# Altium PCB xialeste.PcbDoc (part 3 of 10) (continued)
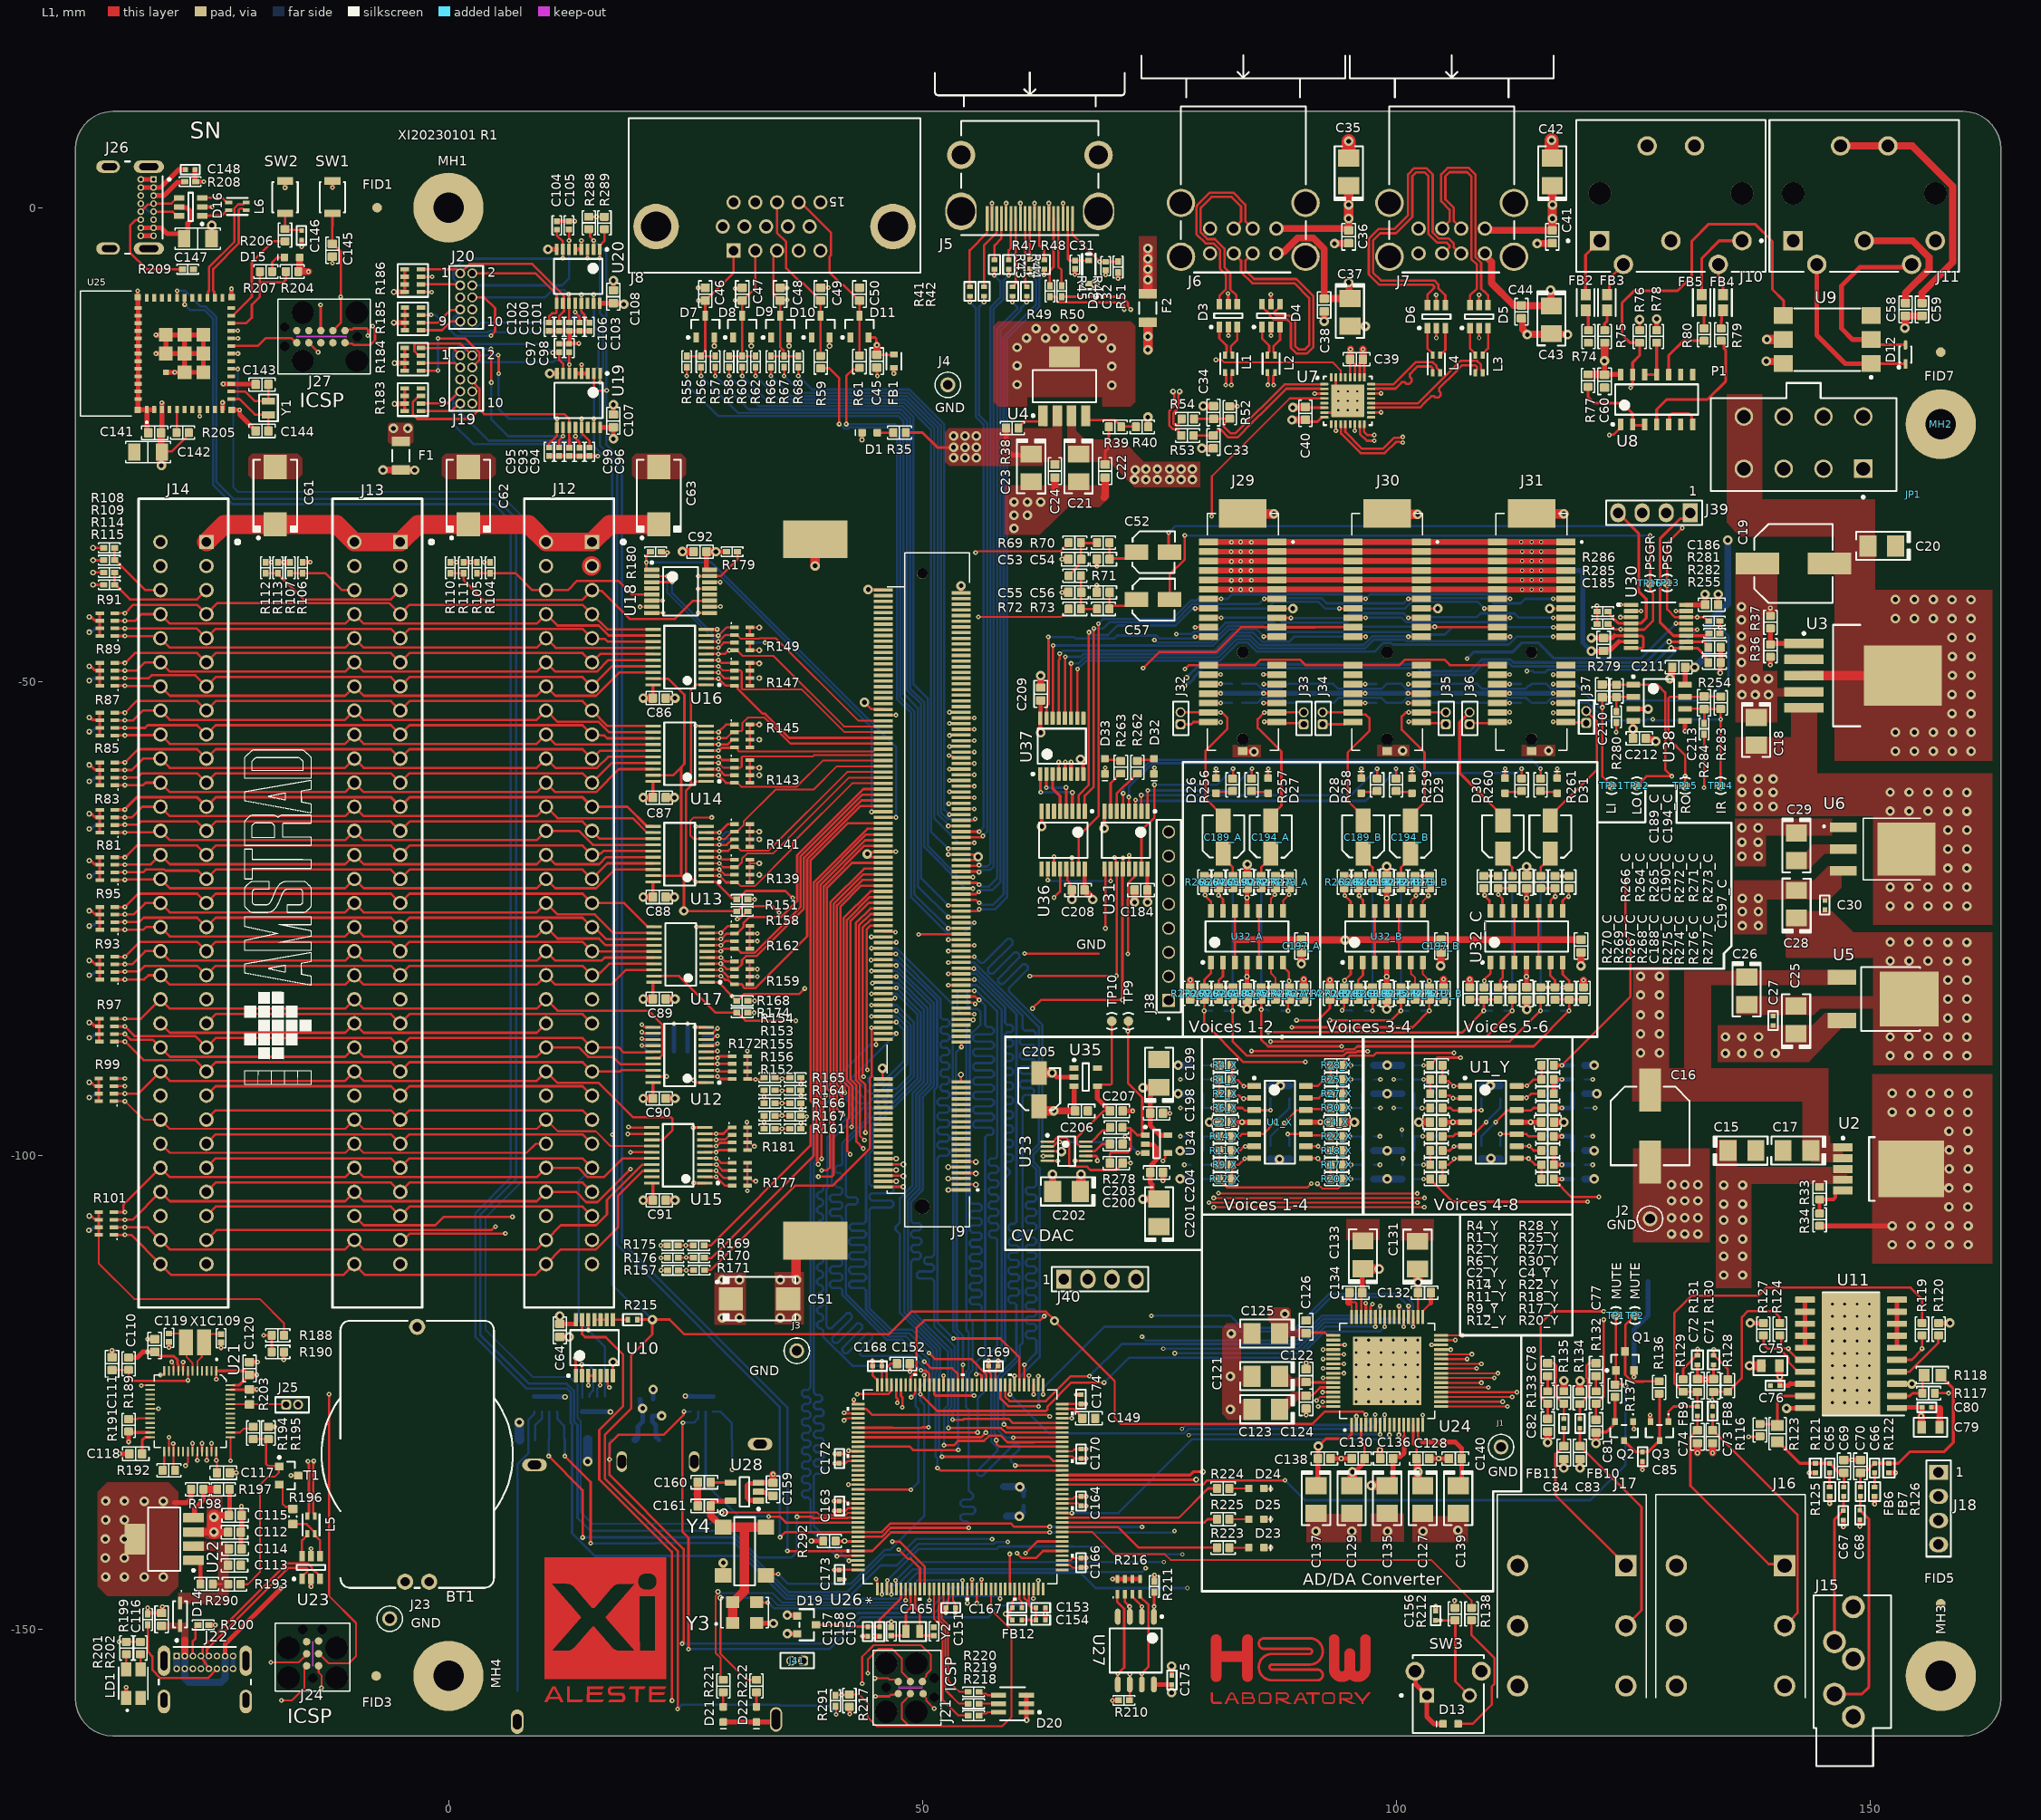
[diagram p0: L1 view]
## Part data (continued)
D1 D13 D15 D26 D27 D28 D29 D30 D31 D32 D33: library part LED-150060SS75000, "SMD mono-color Chip LED, WL-SMCW, Super Red", Color="Super Red", Manufacturer="Wuerth Elektronik", componentlink1description="Manufacturer URL", componentlink1url=http://www.we-online.com, ComponentLink2Description=Datasheet, ComponentLink2URL=http://katalog.we-online.com/led/datasheet/150060SS75000.pdf, PackageReference=0603_A, PartNumber=150060SS75000
D2: "DIODE SCHOTTKY 30V 0.2A SOD323", Capacitance @ Vr, F="10pF @ 1V, 1MHz", Current - Average Rectified (Io)=200mA, Current - Reverse Leakage @ Vr="2µA @ 25V", Manufacturer="Fairchild Semiconductor", Operating Temperature - Junction="-55°C ~ 150°C", Package / Case="SC-76, SOD-323", Supplier Device Package=SOD-323, Supplier Part Number 1=BAT54HT1GCT-ND, Thermal Resistance="600°C/W Ja", Voltage - DC Reverse (Vr) (Max)=30V, Voltage - Forward (Vf) (Max) @ If="800mV @ 100mA", .Checked PCB="RF, used by MM", .Checked SCH=MM, .Creator=MM, Category="Discrete Semiconductor Products", componentlink1description=http://www.fairchildsemi.com/ds/BA/BAT54HT1G.pdf, componentlink1url=http://www.fairchildsemi.com/ds/BA/BAT54HT1G.pdf, Diode Type=Schottky, Manufacturer Part Number=BAT54HT1G, Mounting Type="Surface Mount", Packaging="Cut Tape (CT)", Pricing 1="1=0.3, 10=0.276, 25=0.1984, 100=0.1543, 250=0.09696, 500=0.0826, 1000=0.05628 (USD)", Reverse Recovery Time (trr)=5ns, RoHS="RoHS Compliant", Speed="Small Signal =< 200mA (Io), Any Speed", Stock 1=11388, Supplier 1=Digi-Key
D7 D8 D9 D10 D11: library part CMP-1176-00014-1, "Silicon Switching Diode, SOT23, Reel, Green", Manufacturer=Infineon, componentlink1description="Manufacturer URL", componentlink1url=http://www.infineon.com/, ComponentLink2Description=Datasheet, ComponentLink2URL=http://www.infineon.com/dgdl/bav99series.pdf?folderId=db3a30431400ef6801141b5844e103ea&fileId=db3a30431400ef6801141c1b237d042f, ComponentLink3Description="Package Specification", ComponentLink3URL=http://www.infineon.com/dgdl/smbta14_mmbta14.pdf?folderId=db3a30431441fb5d011445c30f210183&fileId=db3a30431441fb5d011445ef0201018c, Green=TRUE, Manufacturer Part Number=BAV99, Mounting Technology="Surface Mount", PackageDescription="3-Pin Small Outline Transistor Package, 1.3 x 2.9 mm Body, 0.95 mm Pitch", PackageReference=SOT23, PackageVersion=Apr-08, Packing=Reel, PartNumber=BAV99, RevisionNote="Re-Activated Devices"
D12: library part CMP-07163-000040-1, "DIODE GEN PURP 75V 150MA SOD323F", Average Rectified Current=150mA, Forward Voltage=1V, Max Forward Surge Current (Ifsm)=2A, Max Operating Temperature=150°C, Max Repetitive Reverse Voltage (Vrrm)=75V, Min Operating Temperature=-55°C, Package Quantity=1, Peak Reverse Current=5uA, Power Dissipation=200mW, Contact Plating=Tin, Element Configuration=Single, Forward Current=150mA, Height=1mm, Lead Free="Lead Free", Length=1.8mm, Max Reverse Voltage (DC)=75V, Mount="Surface Mount", Number of Pins=2, Packaging="Tape and Reel", Radiation Hardening=No, REACH SVHC="No SVHC", Recovery Time=4ns, Reverse Recovery Time=4ns, Reverse Voltage=75V, Weight=0.0276g, Width=1.35mm
D14: Manuf_1=STM, Distrib=ST, ECCN_US/EU=EAR99/NEC, Manuf_Part_1=BAT60JFILM, Order=BAT60JFILM, Provided=ST, Revision="July-2002: Re-released for DXP Platform."
D19: "DIODE SCHOTTKY DUAL 30V SOT23-3", Current - Average Rectified (Io) (per Diode)="200mA (DC", Current - Reverse Leakage @ Vr="2µA @ 25V", Manufacturer="Diodes Inc", Package / Case="TO-236-3, SC-59, SOT-23-3", Supplier Device Package=SOT-23-3, Supplier Part Number=BAT54C-FDICT-ND, Voltage - DC Reverse (Vr) (Max)=30V, Voltage - Forward (Vf) (Max) @ If="800mV @ 100mA", .Checked PCB=used, .Checked SCH=used, Category="Discrete Semiconductor Products", componentlink1description=http://www.diodes.com/datasheets/ds11005.pdf, componentlink1url=http://www.diodes.com/datasheets/ds11005.pdf, Diode Configuration="1 Pair Common Cathode", Diode Type=Schottky, Family="Diodes, Rectifiers - Arrays", Manufacturer Part Number=BAT54C-7-F, Mounting Type="Surface Mount", oltage - DC Reverse (Vr) (Max)=30V, Packaging="Cut Tape (CT)", Price 1k [$]=0.04500, Pricing 1="1=0.38, 10=0.255, 100=0.12, 250=0.08552, 500=0.06526, 1000=0.045 (USD)", Reverse Recovery Time (trr)=5ns, RoHS="RoHS Compliant", Speed="Small Signal =< 200mA (Io), Any Speed", Stock 1=67687, Supplier=Digikey, Supplier 1=Digi-Key, Supplier Part Number 1=BAT54C-FDICT-ND
D20: library part CMP-18399-000005-1, "LED RGB DIFFUSED 6PLCC SMD", Colour="Red, Green, LED_B", Forward Current=20mA, Forward Voltage=2.1/3.1/3.1V, Manufacturer="Broadcom Avago", Max Junction Temp=+110°C, Package=PLCC-6, Power Dissipation=125/90/90mW, Reverse Voltage=4V, Temperature="-40°C to +100°C", Temperature Range High=+100°C, Temperature Range Low=-40°C, Automotive=No, Category=Diode, ComponentLink2Description=Datasheet, ComponentLink2URL=https://docs.broadcom.com/doc/AV02-3873EN, Device Class L1=Optoelectronics, Device Class L2=LEDs, Device Class L3=unset, Digikey Description="LED RGB DIFFUSED 6PLCC SMD", Height=2mm, Lead Free=Yes, Led Orientation="Top View", Luminous Intensity=650/1900/384mcd, Manufacturer Part Number=ASMT-YTD7-0AA02, Mouser Description="Standard LEDs - SMD PLCC6,T/MT SILICONE RGB", Octopart=https://octopart.com/asmt-ytd7-0aa02-broadcom-71127359, Peak Emmision Wavelength=630/522/465nm, RoHS=TRUE, Viewing Angle=120°, Wavelength=623/529/469nm
D21 D22 D23 D24 D25: library part LED-150060SS75000, "SMD mono-color Chip LED, WL-SMCW, Super Red", Color="Super LED_R", Manufacturer="Wuerth Elektronik", componentlink1description="Manufacturer URL", componentlink1url=http://www.we-online.com, ComponentLink2Description=Datasheet, ComponentLink2URL=http://katalog.we-online.com/led/datasheet/150060SS75000.pdf, PackageReference=0603_A, PartNumber=150060SS75000
F1: library part CMP-16043-000007-1, "PTC RESET FUSE 30V 200MA 1206", Case Code (Imperial)=1206, Case Code (Metric)=3216, Hold Current=200mA, Manufacturer=Bel, Max Current Rating=10A, Max Operating Temperature=85°C, Max Voltage Rating (DC)=30V, Min Operating Temperature=-40°C, Package Quantity=3000, Power Dissipation=400mW, Trip Current=400mA, Approvals=UL, Case/Package=1206, Contact Plating=Tin, Lead Free="Lead Free", Manufacturer Part Number=0ZCJ0020FF2E, Mount="Surface Mount", Number of Terminals=2, Packaging="Cut Tape", Time to Trip=0.1s
F2: library part CMP-16043-000004-1, "PTC RESET FUSE 8V 500MA 1206", Case Code (Imperial)=1206, Case Code (Metric)=3216, Hold Current=500mA, Manufacturer=Bel, Max Current Rating=100A, Max Operating Temperature=85°C, Min Operating Temperature=-40°C, Package Quantity=1, Trip Current=1A, Case/Package=1206, Contact Plating=Tin, Lead Free="Lead Free", Manufacturer Part Number=0ZCJ0050FF2G, Mount="Surface Mount", Packaging="Tape and Reel", Time to Trip=0.1s
FB1: library part CMP-08257-000179-1, "Power line Ferrite Bead 600Ω @ 100MHz 1A DCR 0.15Ω SMD 0603", Case Code (Imperial)=0603, Case Code (Metric)=1608, Current Rating=1A, DC Resistance (DCR)=150mR, Manufacturer="TDK EPCOS", Max Operating Temperature=125°C, Min Operating Temperature=-55°C, Package Quantity=4000, Test Frequency=100MHz, Tolerance=25%, Case/Package=0603, Core Material=Ferrite, Depth=0.8mm, Height=0.8mm, Impedance=600R, Lead Free="Lead Free", Length=0.063inch, Manufacturer Part Number=MPZ1608S601ATA00, Max DC Current=1A, Mount="Surface Mount", Packaging="Tape and Reel", REACH SVHC="No SVHC", RoHS Compliant=Yes, series=MPZ, Termination=SMD/SMT, Weight=7.1E-05oz, Width=0.8mm
FB2 FB3 FB4 FB5: library part CMP-08257-000115-1, "Signal Line Ferrite Bead 1000Ω  @ 100MHz 400mA DCR 500mΩ SMD 0603", Case Code (Imperial)=0603, Case Code (Metric)=1608, Current Rating=400mA, DC Resistance (DCR)=500mR, Package Quantity=1, Tolerance=25%, Case/Package=0603, Core Material=Ferrite, Height=0.037inch, Impedance=1kR, Length=0.063inch, Max DC Current=400mA, Mount="Surface Mount", Packaging="Tape and Reel", REACH SVHC="No SVHC", RoHS Compliant=Yes, series=MMZ, Width=0.031inch
FB6 FB7 FB8 FB9 FB10 FB11 FB12: library part IND-BLM15AX601SN1D, "FERRITE CHIP 600 OHM 0402 420mA", Current Rating=420mA, DC Resistance (DCR)="340 mOhm Max", Impedance @ Frequency="600 Ohm @ 100MHz", Manufacturer="Murata Electronics North America", Package / Case="0402 (1005 Metric)", Supplier Part Number=490-5441-1-ND, .Checked PCB=used, .Checked SCH=used, Category=Filters, componentlink1description=http://search.murata.co.jp/Ceramy/image/img/PDF/ENG/L0110S0100BLM15AX_SN.pdf, componentlink1url=http://search.murata.co.jp/Ceramy/image/img/PDF/ENG/L0110S0100BLM15AX_SN.pdf, Filter Type="Differential Mode - Single", Height (Max)="0.022\" (0.55mm)", Manufacturer Part Number=BLM15AX601SN1D, Mounting Type="Surface Mount", Number of Lines=1, Packaging="Cut Tape (CT)", Price 1k [$]=0.03280, Pricing 1="1=0.26, 10=0.197, 50=0.1148, 100=0.0918, 250=0.0656, 500=0.0446, 1000=0.03608, 5000=0.02821 (USD)", RoHS="RoHS Compliant", Size / Dimension="0.039\" L x 0.020\" W (1.00mm x 0.50mm)", Stock 1=34008, Supplier=Digikey, Supplier 1=Digi-Key, Supplier Part Number 1=490-5441-1-ND
FB13: library part CMP-08257-000179-1, "Power line Ferrite Bead 600Ω @ 100MHz 1A DCR 0.15Ω SMD 0603", Case/Package=0603, Case Code (Metric)=1608, Current Rating=1A, DC Resistance (DCR)=150mR, Manufacturer="TDK EPCOS", Max Operating Temperature=125°C, Min Operating Temperature=-55°C, Package Quantity=4000, Test Frequency=100MHz, Tolerance=25%, Case Code (Imperial)=0603, Core Material=Ferrite, Depth=0.8mm, Height=0.8mm, Impedance=600R, Lead Free="Lead Free", Length=0.063inch, Manufacturer Part Number=MPZ1608S601ATA00, Max DC Current=1A, Mount="Surface Mount", Packaging="Tape and Reel", REACH SVHC="No SVHC", RoHS Compliant=Yes, series=MPZ, Termination=SMD/SMT, Weight=7.1E-05oz, Width=0.8mm
FID1 FID2 FID3 FID4 FID5 FID6 FID7 FID8: "Fiducial 40mil Diameter, 120mil Mask", Supplier=Digikey
J1 J2 J3 J4 J23: library part CMP-2000-05181-2, "PC TEST POINT MINIATURE BLACK", Color=Black, Flammability Rating="UL94 V-0", Manufacturer="Keystone Electronics", Package Quantity=100, Body Material=Bronze, Contact Material=Bronze, Contact Plating=Silver, Diameter=2.54mm, Height=0.3inch, Hole Diameter=1.6mm, Housing Color=Black, Inside Diameter=1.27mm, Insulation=Insulated, Insulation Material=Nylon, Lead Free="Lead Free", Length=7.62mm, Manufacturer Part Number=5001, Material=Nylon, Mount="Through Hole", Number Of Contacts=1, Number Of Ports=1, Orientation=Straight, Outside Diameter=2.54mm, Packaging=Bulk, Plating=Silver, REACH SVHC="No SVHC", RoHS Compliant=Yes, series=THM, Termination="Through Hole"
J5: library part CON-HDMI-47151-0001, "CONN RCPT 19POS HDMI RT ANG SMD", Manufacturer="Molex Connector Corporation", Operating Temperature="-20°C to +85°C", Supplier Part Number=WM19086CT-ND, .Checked PCB=used, .Checked SCH=used, Category="Connectors, Interconnects", componentlink1description=http://www.molex.com/pdm_docs/sd/471510001_sd.pdf, componentlink1url=http://www.molex.com/pdm_docs/sd/471510001_sd.pdf, Connector Type=HDMI, Family="USB, IEEE-1394 (Firewire), DVI, HDMI", Features="Detent Lock", Gender=Receptacle, Ingress Protection=-, Manufacturer Part Number=47151-0001, Mounting Type="Surface Mount, Right Angle, Horizontal", Number Of Contacts=19, Number of Positions=19, Packaging="Cut Tape (CT)", Pitch="0.50mm (.020\")", Price 1k [$]=1.74610, Pricing 1="1=3.1, 10=2.57, 50=2.1456, 100=1.9034 (USD)", RoHS="RoHS Compliant", Specifications=-, Stock 1=2756, Supplier=Digikey, Supplier 1=Digi-Key, Supplier Part Number 1=WM19086CT-ND
J6 J7: library part CON-USB-5787617-1a, "CONN RCPT R/A 4OVER4POS GOLD PCB", Manufacturer="TE Connectivity", Supplier Part Number=A31728-ND, .Checked PCB=used, .Checked SCH=used, Category="Connectors, Interconnects", componentlink1description=http://documents.tycoelectronics.com/commerce/DocumentDelivery/DDEController?Action=srchrtrv&DocNm=5787617&DocType=CD&DocLang=EN, componentlink1url=http://documents.tycoelectronics.com/commerce/DocumentDelivery/DDEController?Action=srchrtrv&DocNm=5787617&DocType=CD&DocLang=EN, Connector Type="USB - A, Stacked", Family="USB, IEEE-1394 (Firewire), DVI, HDMI", Features="Board Lock", Gender=Receptacle, Ingress Protection=-, Manufacturer Part Number=5787617-1, Mounting Type="Through Hole, Right Angle, Horizontal", Number Of Contacts=8, Packaging=Tray, Price 1k [$]=1.68753, Pricing 1="1=3.33, 10=3.197, 25=2.9308, 50=2.7978, 100=2.6645, 250=2.33144, 500=2.26484, 1000=1.93178, 2500=1.79855 (USD)", RoHS="RoHS Compliant", Specifications="USB 2.0", Stock 1=5401, Supplier=Digikey, Supplier 1=Digi-Key, Supplier Part Number 1=A31728-ND
J8: library part CMP-1502-00216-1, "Female High Density PCB Connector with Hex Screw WR-DSUB, Angled, 15 pins", Contact Resistance=30mOhm, Manufacturer="Wurth Electronics", Operating Temperature=-40to85degC, Rated Current=3A, Working Voltage=60VAC, Datasheet URL=https://katalog.we-online.de/em/datasheet/6180xx330923.pdf, Gender=Female, Manufacturer Part Number=618015330923, Manufacturer URL=http://www.we-online.de, Mounting Technology=THT, Orientation=Angled, Package Reference=618015330923, Packaging=Tray, Part Number=618015330923, Pin Number=15, Publisher=WurthElektronik
J9: "200 position 0.6mm Right Angle Dual Row DRAM SODIMM Memory Socket", Package=None, Availability=Unavailable, MF="{'manufacturer': u'TE Connectivity'}", MP=1612618-4, price=None
J10 J11: "CONN RCPT FMALE DIN 5POS SOLDER", Case/Package=Metal, Color=Black, Current Rating=3A, Package Quantity=1, Voltage Rating=34V, Body Material=Metal, Connector Type=Receptacle, Contact Plating=Nickel, Contact Type=Pin, Fastening Type=Pull, Gender=Female, Insulation Material=Plastic, Lead Free="Lead Free", Mount="Through Hole", Number Of Contacts=5, Number Of Ports=1, Number of Positions=5, Number of Terminals/Pins=5, Orientation="Right Angle", Packaging=Bulk, Radiation Hardening=No, RoHS Compliant=Yes, series=-, Strain Relief="No (Without)", Termination=Solder
J12 J13 J14: "CONN 62 POS EDGE CARD CONNECTOR"
J15: "CONN JACK STEREO R/A 5PIN 3.5MM", Color - Contact=Black, Current Rating=300mA, Housing Color=Silver, Manufacturer="CUI Inc", Operating Temperature="-25°C ~ 85°C", Supplier Part Number 1=CP1-3535NG-ND, Voltage - Rated=16VDC, .Checked PCB=RF, .Checked SCH=RF, Category="Connectors, Interconnects", componentlink1description=http://www.cui.com/Product/Resource/DigiKeyPDF/SJ1-353XNG_Series.pdf, componentlink1url=http://www.cui.com/Product/Resource/DigiKeyPDF/SJ1-353XNG_Series.pdf, Connector Type="Phone Jack", Contact Material=Brass, Contact Material - Plating=Tin, Features=-, Gender=Female, Housing Material=Steel, Internal Switch(s)="Two Switches", Manufacturer Part Number=SJ1-3535NG, Mounting Type="Through Hole, Right Angle", Number of Positions/Contacts="3 Conductors, 5 Contacts", Packaging=Bulk, Plug/Mating Plug Diameter="3.50mm (0.141\", 1/8\", Mini Plug) - Headphone", Pricing 1="1=0.89, 10=0.686, 100=0.5235, 500=0.41878, 1000=0.37226, 2500=0.30944 (GBP)", RoHS="RoHS Compliant", Shielding=Unshielded, Signal Lines=Stereo, Stock 1=16873, Supplier 1=Digi-Key, Termination=Solder
J16 J17: library part CON-ACJS-MHOM, "CONN JACK STEREO 1/4\" R/A (METAL SCREW)", Package=None, Availability=Unavailable, MF="{'manufacturer': u'Amphenol Audio / Entertainment'}", MP=ACJS-MHOM, price=None
J18 J39 J40: library part CON-HDR-2.54MM-1x4-VERT-68000-104HLF, "CONN HEADER VERT 4POS 2.54MM", Color=Black, Manufacturer=FCI, Manufacturer Part Number=68000-103HLF, Supplier Part Number 1=609-3461-ND, .Checked PCB=MM, .Checked SCH=MM, .Creator=MM, Category="Connectors, Interconnects", componentlink1description=http://portal.fciconnect.com/Comergent//fci/drawing/68000.pdf, componentlink1url=http://portal.fciconnect.com/Comergent//fci/drawing/68000.pdf, Connector Type="Header, Unshrouded", Contact Finish="Gold or Gold, GXT™", Contact Finish Thickness="30µin (0.76µm)", Contact Mating Length="0.230\" (5.84mm)", Contact Type="Male Pin", Fastening Type=-, Features=-, Mounting Type="Through Hole", Number of Positions=3, Number of Positions Loaded=All, Number of Rows=1, Packaging=Bulk, Pitch="0.100\" (2.54mm)", Pricing 1="1=0.15, 10=0.145, 25=0.108, 50=0.0924 (USD)", RoHS="RoHS Compliant", Row Spacing=-, Stock 1=37214, Supplier 1=Digi-Key, Termination=Solder
J19 J20: library part CON-HDR-1.27MM-2x5--62201021121, "THT Vertical Pin Header WR-PHD, Pitch 1.27 mm, Dual Row, 10 pins", Contact Resistance=20mOhm, Manufacturer="Wurth Elektronik", Operating Temperature=-40to105degC, Rated Current=1A, Withstanding Voltage=500VAC, Working Voltage=100VAC, Datasheet URL=https://katalog.we-online.de/em/datasheet/62201021121.pdf, Gender=Male, Manufacturer URL=http://www.we-online.de, Mounting Technology=THT, Orientation=Vertical, Package Reference=62201021121, Packaging=Box, Part Number=62201021121, Pin Number=10, Pitch=1.27mm, Publisher=WurthElektronik, Row Number=Dual
J21 J24 J27: "PLUG-OF-NAILS 10-PIN W/LEGS", Color=Black, Manufacturer=3M, Manufacturer Part Number=D2510-6002-AR, Supplier Part Number 1=MHC10E-ND, .Checked PCB=MM, .Checked SCH=MM, .Creator=MM, Category="Connectors, Interconnects", componentlink1description=http://multimedia.3m.com/mws/mediawebserver?66666UuZjcFSLXTtm8T_oxMcEVuQEcuZgVs6EVs6E666666--, componentlink1url=http://multimedia.3m.com/mws/mediawebserver?66666UuZjcFSLXTtm8T_oxMcEVuQEcuZgVs6EVs6E666666--, Connector Type="Header, Shrouded", Contact Finish=Gold, Contact Finish Thickness="10µin (0.25µm)", Contact Mating Length="0.243\" (6.17mm)", Contact Type="Male Pin", Fastening Type=-, Features=-, Mounting Type="Through Hole", Number of Positions=10, Number of Positions Loaded=All, Number of Rows=2, Packaging=Bulk, Pitch="0.100\" (2.54mm)", Pricing 1="1=1.57, 10=1.421, 50=1.276, 100=1.218, 250=1.102, 500=1.015, 1000=0.87, 2500=0.812, 5000=0.7714 (USD)", RoHS="RoHS Compliant", Row Spacing="0.100\" (2.54mm)", Stock 1=1080, Supplier 1=Digi-Key, Termination=Solder
J22 J26: library part CON-213716-0001, "CONN RCPT USB2.0 TYPE C 24POS RA"
J25 J32 J33 J34 J35 J36 J37 J41: library part JP2_OPEN_1.27, "JUMPER 2 PINS OPEN JUMPER"
J28: "12 (9 + 3) Position Card Connector Secure Digital - SD Surface Mount, Right Angle Gold", Package=None, Availability=Unavailable, MF="{'manufacturer': u'Hirose Electric'}", MP=DM1B-DSF-PEJ(82), price=None
J29 J30 J31 J38 U25: Package=None, Availability=Unavailable, price=None
  J29 J30 J31: MF="{'manufacturer': u'Amphenol ICC (FCI)'}", MP=10146065-110T0LF
  J38: MF="Samtec Inc.", MP=TSW-108-07-L-S
  U25: MF="{'manufacturer': u'Espressif Systems'}", MP=ESP32-C3-MINI-1-N4
JP1: library part JP2_CLOSED_0805, "JUMPER 2 PINS CLOSED JUMPER"
L1 L2 L3 L4: "CHOKE COMM MODE 90 OHM .4A SMD", Current=400mA, DC Resistance (DCR)="190 mOhm Max", Inductance=-, Manufacturer="TDK Corporation", Operating Temperature="-25°C ~ 85°C", Package / Case="0805 (2012 Metric), 4 Lead", Power (Watts)="0.063W, 1/16W", Resistance (Ohms)=8.2K, Supplier Part Number 1=445-2207-1-ND, Temperature Coefficient=±100ppm/°C, Tolerance=±1%, .Checked PCB=RF, .Checked SCH=RF, Category=Filters, componentlink1description=http://www.tdk.co.jp/tefe02/e9719_acm2012.pdf, componentlink1url=http://www.tdk.co.jp/tefe02/e9719_acm2012.pdf, ComponentLink2Description=http://www.yageo.com/documents/recent/PYu-RC0402_51_RoHS_L_6.pdf, ComponentLink2URL=http://www.yageo.com/documents/recent/PYu-RC0402_51_RoHS_L_6.pdf, Composition="Thick Film", Features=-, Filter Type="Data, Signal Line", Height="0.016\" (0.40mm)", Height (Max)="0.051\" (1.30mm)", Impedance="90 Ohm", Manufacturer Part Number=ACM2012-900-2P-T002, Mounting Type="Surface Mount", Number of Lines=2, Number of Terminations=2, Packaging="Cut Tape (CT)", Pricing 1="1=0.48, 10=0.448, 50=0.42, 100=0.364, 500=0.308, 1000=0.252 (USD)", RoHS="RoHS Compliant", Size / Dimension="0.079\" L x 0.047\" W (2.00mm x 1.20mm)", Stock 1=175768, Supplier 1=Digi-Key
L5 L6: "IND CHOKE COMM MODE 90 OHM .4A SMD", Current=400mA, DC Resistance (DCR)="190 mOhm Max", Inductance=-, Manufacturer="TDK Corporation", Manufacturer Part Number=ACM2012-900-2P-T002, Operating Temperature="-25°C ~ 85°C", Package / Case="0805 (2012 Metric), 4 Lead", Power (Watts)="0.063W, 1/16W", Resistance (Ohms)=8.2K, Supplier Part Number 1=445-2207-1-ND, Temperature Coefficient=±100ppm/°C, Tolerance=±1%, .Checked PCB=RF, .Checked SCH=RF, Category=Filters, componentlink1description=http://www.tdk.co.jp/tefe02/e9719_acm2012.pdf, componentlink1url=http://www.tdk.co.jp/tefe02/e9719_acm2012.pdf, ComponentLink2Description=http://www.yageo.com/documents/recent/PYu-RC0402_51_RoHS_L_6.pdf, ComponentLink2URL=http://www.yageo.com/documents/recent/PYu-RC0402_51_RoHS_L_6.pdf, Composition="Thick Film", Features=-, Filter Type="Data, Signal Line", Height="0.016\" (0.40mm)", Height (Max)="0.051\" (1.30mm)", Impedance="90 Ohm", Mounting Type="Surface Mount", Number of Lines=2, Number of Terminations=2, Packaging="Cut Tape (CT)", Pricing 1="1=0.48, 10=0.448, 50=0.42, 100=0.364, 500=0.308, 1000=0.252 (USD)", RoHS="RoHS Compliant", Size / Dimension="0.079\" L x 0.047\" W (2.00mm x 1.20mm)", Stock 1=175768, Supplier 1=Digi-Key
LD1: "Bicolor Led", Manuf_1="Avago Technologies", Manuf_Part_1=HSMF-A201-A00J1, cap_dec=----, Distrib=RADIOSPARES, Ref St=xxxxxx
MH1 MH2 MH3 MH4: "Mounting Hole 7.4mm Diameter, 3.2mm Drill"
P1: "4.2 mm Pitch Mini-Fit Jr.Power Connector, Vertical, Through Hole, 8 Circuits, -40 to 105 degC, RoHS, Bag", Temperature Max="105 degC", Temperature Min="-40 degC", componentlink1description="Manufacturer URL", componentlink1url=http://www.molex.com/, ComponentLink2Description=Datasheet, ComponentLink2URL=http://www.molex.com/webdocs/datasheets/pdf/en-us/0039281083_PCB_HEADERS.pdf, ComponentLink3Description="Package Specification", ComponentLink3URL=http://www.molex.com/pdm_docs/sd/039281083_sd.pdf, Mounting Technology="Surface Mount", No. of Positions=8, No. of Rows=2, Orientation=Vertical, PackageDescription="8-Pin PCB Header, Vertical, Pitch 4.2 mm, Through Hole", PackageVersion="Rev. F, 06/2009", Packing=Bag, PartNumber=39-28-1083, Pitch="4.2 mm", RoHS=TRUE
Q1: library part CMP-0630-00267-1, "Digital Transistor (BRT), R1=10 kOhm, R2=10 kOhm, PNP Transistor, 3-Pin SOT-23, Pb-Free, Tape and Reel", Manufacturer="ON Semiconductor", componentlink1description="Manufacturer URL", componentlink1url=http://www.onsemi.com/, ComponentLink2Description=Datasheet, ComponentLink2URL=http://www.onsemi.cn/pub_link/Collateral/DTA114E-D.PDF, ComponentLink3Description="Package Specification", ComponentLink3URL=http://www.onsemi.cn/pub_link/Collateral/318-08.PDF, DatasheetVersion="Rev. 7", hFE Min=35, IC Continuous (A)=0.1, Manufacturer Part Number=MMUN2111LT1G, Mounting Technology="Surface Mount", PackageDescription="3-Pin Small Outline Transistor, Body 2.92 x 1.3 mm, Pitch 0.95 mm", PackageReference=SOT-23-3-318-08, PackageVersion="Rev. AP, 11/2009", Packing="Tape and Reel", PartNumber=MMUN2111LT1G, Polarity=PNP, R1/R2 Typ=1, RoHS=TRUE, V(BR)CEO Min (V)=50
Q2 Q3: library part CMP-2000-06904-1, "N-channel junction FETs, 40 V, 300 mW, -65 to 150 degC, 3-Pin SOT23 (TO-236AB), RoHS, Tape and Reel", Current - Drain (Idss) @ Vds (Vgs=0)=20mA@15V, Drain to Source Voltage (Vdss)=40V, Input Capacitance (Ciss) @ Vds=6pF@10V(VGS), Manufacturer="NXP Semiconductors", Package / Case=TO-236-3,SC-59,SOT-23-3, Package Description="3-Pin Small Outline Transistor, Body 1.3 x 2.9 mm, Pitch 0.95 mm", Package Reference=TO-236AB, Package Version=02/2016, Power - Max=300mW, Resistance - RDS(On)=30Ohm, Standard Package=1, Supplier Device Package=SOT-23(TO-236AB), Voltage - Cutoff (VGS off) @ Id=10V@1µA, Category=DiscreteSemiconductorProducts, Datasheet URL=http://www.nxp.com/documents/data_sheet/PMBFJ111_112_113.pdf, Datasheet Version="Rev. 4, 09/2011", Family=JFETs(JunctionFieldEffect), FET Type=N-Channel, Manufacturer Part Number=PMBFJ111,215, Manufacturer URL=http://www.nxp.com/, Mounting Technology=SurfaceMount, Mounting Type=SurfaceMount, Other Names=568-6480-6, Package URL=http://www.nxp.com/documents/outline_drawing/SOT23.pdf, Packaging=Digi-Reel®, PCN Design/Specification=ResinHardener02/Jul/2013, PCN Obsolescence/ EOL=MultipleDevices29/Dec/2014, PCN Packaging="DateCodeExtended18/Jul/2013 /  / LighterReels02/Jan/2014", Voltage - Breakdown (V(BR)GSS)=40V
R1_X R1_Y R8_X R8_Y R9_X R9_Y R16_X R16_Y R17_X R17_Y R24_X R24_Y R25_X R25_Y R32_X R32_Y: library part TNPW060311K0BYEN, "RES 11K OHM 0.1% 1/8W 0603", Device Package="0603 (1608 Metric)", Manufacturer="Vishay Dale", Operating Temperature="-55°C ~ 155°C", Power (Watts)="0.125W, 1/8W", Ratings=AEC-Q200, Supplier Device Package=0603, Supplier Part Number 1=541-9816-1-ND, Temperature Coefficient=±10ppm/°C, Tolerance=±0.1%, componentlink1description=Datasheet, componentlink1url=http://www.vishay.com/docs/28758/tnpw_e3.pdf, ComponentLink2Description="DigiKey Link", ComponentLink2URL=https://www.digikey.com/en/products/detail/vishay-dale/TNPW060311K0BYEN/8636632, Composition="Thin Film", Features="Anti-Sulfur, Automotive AEC-Q200, Moisture Resistant", Height - Seated (Max)="0.022\" (0.55mm)", lastupdated="9/19/2022 1:22:28 PM", Lifecycle Status=Active, Minimum Order=1, Number of Terminations=2, Package / Case="0603 (1608 Metric)", Packaging=TapeAndReel, Part Number=TNPW060311K0BYEN, Part Status=Active, partid=6393, price=0.28, Resistance="11 kOhms", series="TNPW e3", Size / Dimension="0.061\" L x 0.033\" W (1.55mm x 0.85mm)", Supplier 1=DigiKey
R2_X R2_Y R6_X R6_Y R11_X R11_Y R14_X R14_Y R18_X R18_Y R22_X R22_Y R27_X R27_Y R30_X R30_Y: library part RK73H1JTTD8200F, "RES 820 OHM 1% 1/8W 0603", Device Package="0603 (1608 Metric)", Manufacturer="KOA Speer Electronics, Inc.", Operating Temperature="-55°C ~ 155°C", Power (Watts)="0.125W, 1/8W", Ratings=AEC-Q200, Supplier Device Package=0603, Supplier Part Number 1=2019-RK73H1JTTD8200FCT-ND, Temperature Coefficient=±100ppm/°C, Tolerance=±1%, componentlink1description=Datasheet, componentlink1url=http://www.koaspeer.com/catimages/Products/RK73H/RK73H.pdf, ComponentLink2Description="DigiKey Link", ComponentLink2URL=https://www.digikey.com/en/products/detail/koa-speer-electronics-inc/RK73H1JTTD8200F/9844984, Composition="Thick Film", Features="Automotive AEC-Q200, Moisture Resistant", Height - Seated (Max)="0.022\" (0.55mm)", lastupdated="9/19/2022 1:22:29 PM", Lifecycle Status=Active, Minimum Order=1, Number of Terminations=2, Package / Case="0603 (1608 Metric)", Packaging=CutTape, Part Number=RK73H1JTTD8200F, Part Status=Active, partid=6136, price=0.01, Resistance="820 Ohms", series=RK73H, Size / Dimension="0.063\" L x 0.031\" W (1.60mm x 0.80mm)", Supplier 1=DigiKey
R3_X R3_Y R5_X R5_Y R10_X R10_Y R13_X R13_Y R19_X R19_Y R21_X R21_Y R26_X R26_Y R29_X R29_Y: library part RNCF0603DTE15K0, "RES 15K OHM 0.5% 1/10W 0603", Device Package="0603 (1608 Metric)", Manufacturer="Stackpole Electronics Inc", Operating Temperature="-55°C ~ 155°C", Power (Watts)="0.1W, 1/10W", Ratings=AEC-Q200, Supplier Device Package=0603, Supplier Part Number 1=RNCF0603DTE15K0CT-ND, Temperature Coefficient=±25ppm/°C, Tolerance=±0.5%, componentlink1description=Datasheet, componentlink1url=https://www.seielect.com/catalog/sei-rncf.pdf, ComponentLink2Description="DigiKey Link", ComponentLink2URL=https://www.digikey.com/en/products/detail/stackpole-electronics-inc/RNCF0603DTE15K0/1708172, Composition="Thin Film", Features="Automotive AEC-Q200", Height - Seated (Max)="0.022\" (0.55mm)", lastupdated="9/19/2022 1:22:32 PM", Lifecycle Status=Active, Minimum Order=1, Number of Terminations=2, Package / Case="0603 (1608 Metric)", Packaging=TapeAndReel, Part Number=RNCF0603DTE15K0, Part Status=Active, partid=5404, price=0.01, Resistance="15 kOhms", series=RNCF, Size / Dimension="0.061\" L x 0.031\" W (1.55mm x 0.80mm)", Supplier 1=DigiKey
R4_X R4_Y R12_X R12_Y R20_X R20_Y R28_X R28_Y R266_A R266_B R266_C R269_A R269_B R269_C R273_A R273_B R273_C R276_A R276_B R276_C: library part RNCF0603DTE47R0, "RES 47 OHM 0.5% 1/10W 0603", Device Package="0603 (1608 Metric)", Manufacturer="Stackpole Electronics Inc", Operating Temperature="-55°C ~ 155°C", Power (Watts)="0.1W, 1/10W", Ratings=AEC-Q200, Supplier Device Package=0603, Supplier Part Number 1=RNCF0603DTE47R0CT-ND, Temperature Coefficient=±25ppm/°C, Tolerance=±0.5%, componentlink1description=Datasheet, componentlink1url=https://www.seielect.com/catalog/sei-rncf.pdf, ComponentLink2Description="DigiKey Link", ComponentLink2URL=http://digikey.com/product-detail/en/stackpole-electronics-inc/RNCF0603DTE47R0/RNCF0603DTE47R0CT-ND/9915204, Composition="Thin Film", Features="Automotive AEC-Q200", Height - Seated (Max)="0.022\" (0.55mm)", lastupdated="9/19/2022 1:22:32 PM", Lifecycle Status=Active, Minimum Order=1, Number of Terminations=2, Package / Case="0603 (1608 Metric)", Packaging=TapeAndReel, Part Number=RNCF0603DTE47R0, Part Status=Active, partid=5381, price=0.02, Resistance="47 Ohms", series=RNCF, Size / Dimension="0.061\" L x 0.031\" W (1.55mm x 0.80mm)", Supplier 1=DigiKey
R7_X R7_Y R15_X R15_Y R23_X R23_Y R31_X R31_Y: library part RCS060347K0JNEA, "RES SMD 47K OHM 5% 1/4W 0603", Device Package="0603 (1608 Metric)", Manufacturer="Vishay Dale", Operating Temperature="-55°C ~ 155°C", Power (Watts)="0.25W, 1/4W", Ratings=AEC-Q200, Supplier Device Package=0603, Supplier Part Number 1=541-2819-1-ND, Temperature Coefficient=±200ppm/°C, Tolerance=±5%, componentlink1description=Datasheet, componentlink1url=http://www.vishay.com/docs/20065/rcse3.pdf, ComponentLink2Description="DigiKey Link", ComponentLink2URL=https://www.digikey.com/en/products/detail/vishay-dale/RCS060347K0JNEA/5866965, Composition="Thick Film", Features="Automotive AEC-Q200, Pulse Withstanding", Height - Seated (Max)="0.020\" (0.50mm)", lastupdated="9/19/2022 1:22:32 PM", Lifecycle Status=Active, Minimum Order=1, Number of Terminations=2, Package / Case="0603 (1608 Metric)", Packaging=TapeAndReel, Part Number=RCS060347K0JNEA, Part Status=Active, partid=5445, price=0.02, Resistance="47 kOhms", series="RCS e3", Size / Dimension="0.061\" L x 0.033\" W (1.55mm x 0.85mm)", Supplier 1=DigiKey